# Altium PCB PCB1.PcbDoc (part 1 of 5) (continued)
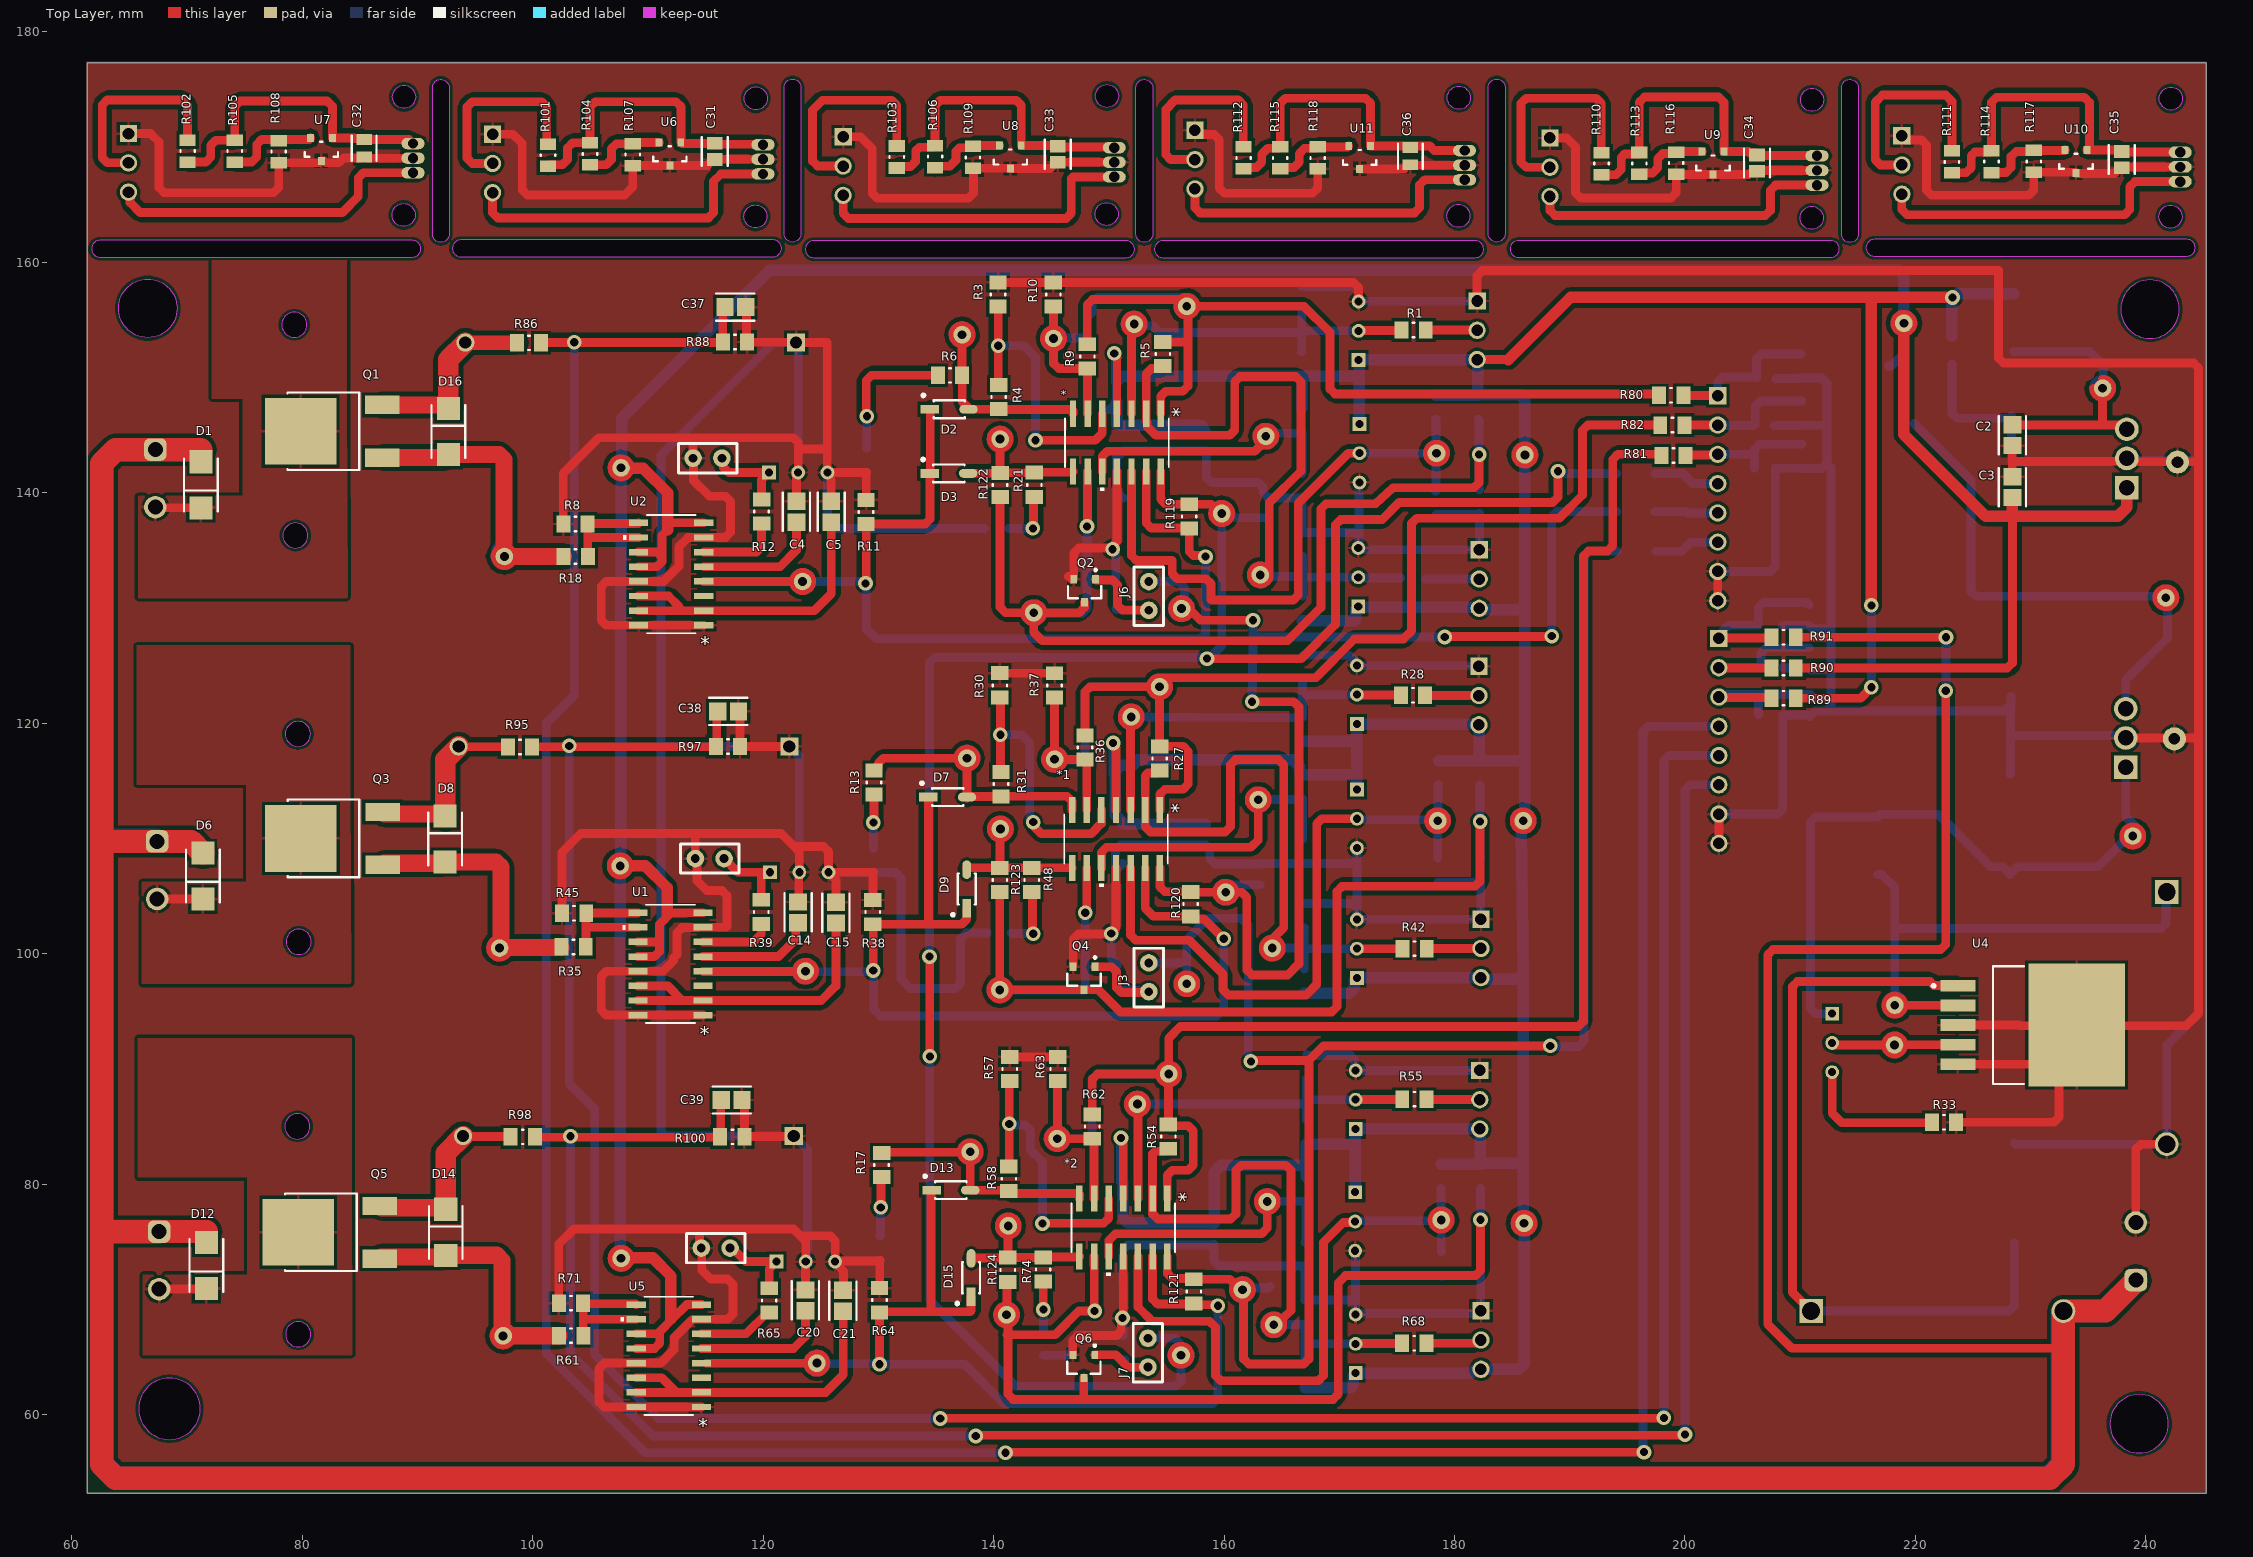
[diagram p0: Top Layer view]
## Components (designator, comment, footprint, x,y, rotation, side; value= is the part's Value field where it differs from the comment) (continued)
R10 "1k" Vishay_CRCW0805-e3_IPC_A 145.186,157.201 r90 top
R11 "100k" Vishay_CRCW0805-e3_IPC_A 128.93,138.328 r90 top
R12 "1k" Vishay_CRCW0805-e3_IPC_A 119.863,138.37 r90 top
R13 "1k" Vishay_CRCW0805-e3_IPC_A 129.616,114.859 r90 top
R14 "10k" Vishay_CRCW0805-e3_IPC_A 166.751,146.253 r270 bottom
R15 "50k" Vishay_CRCW0805-e3_IPC_A 176.428,132.537 r180 bottom
R16 "47k" Vishay_CRCW0805-e3_IPC_A 166.802,129.962 r270 bottom
R17 "1k" Vishay_CRCW0805-e3_IPC_A 130.277,81.661 r90 top
R18 "50k" Vishay_CRCW0805-e3_IPC_A 103.708,137.287 r0 top
R19 "10k" Vishay_CRCW0805-e3_IPC_A 182.093,147.396 r270 bottom
R20 "47k" Vishay_CRCW0805-e3_IPC_A 166.802,135.509 r90 bottom
R21 "1k" Vishay_CRCW0805-e3_IPC_A 143.535,140.691 r90 top
R22 "47k" Vishay_CRCW0805-e3_IPC_A 182.169,139.243 r90 bottom
R23 "1k" Vishay_CRCW0805-e3_IPC_A 166.776,140.589 r90 bottom
R24 "1k" Vishay_CRCW0805-e3_IPC_A 178.359,147.438 r90 bottom
R25 "51k" Vishay_CRCW0805-e3_IPC_A 150.597,130.962 r270 bottom
R26 "10k" Vishay_CRCW0805-e3_IPC_A 178.359,139.09 r270 bottom
R27 "100k" Vishay_CRCW0805-e3_IPC_A 154.407,116.942 r90 top
R28 "50k" Vishay_CRCW0805-e3_IPC_A 176.403,122.428 r180 top
R29 "47k" Vishay_CRCW0805-e3_IPC_A 166.802,119.498 r270 bottom
R30 "1k" Vishay_CRCW0805-e3_IPC_A 140.538,123.292 r90 top
R31 "100k" Vishay_CRCW0805-e3_IPC_A 140.64,114.706 r90 top
R33 "1k" Vishay_CRCW0805-e3_IPC_A 222.479,85.369 r180 top
R34 "47k" Vishay_CRCW0805-e3_IPC_A 166.802,124.816 r270 bottom
R35 "100" Vishay_CRCW0805-e3_IPC_A 103.556,100.584 r0 top
R36 "10k" Vishay_CRCW0805-e3_IPC_A 147.93,117.897 r90 top
R37 "1k" Vishay_CRCW0805-e3_IPC_A 145.288,123.282 r90 top
R38 "100k" Vishay_CRCW0805-e3_IPC_A 129.515,103.607 r90 top
R39 "1k" Vishay_CRCW0805-e3_IPC_A 119.837,103.632 r90 top
R41 "10k" Vishay_CRCW0805-e3_IPC_A 166.827,114.468 r270 bottom
R42 "50k" Vishay_CRCW0805-e3_IPC_A 176.539,100.432 r180 top
R43 "47k" Vishay_CRCW0805-e3_IPC_A 166.954,97.612 r270 bottom
R45 "50k" Vishay_CRCW0805-e3_IPC_A 103.597,103.505 r0 top
R46 "9.1k" Vishay_CRCW0805-e3_IPC_A 182.194,115.688 r270 bottom
R47 "47k" Vishay_CRCW0805-e3_IPC_A 166.98,103.302 r90 bottom
R48 "1k" Vishay_CRCW0805-e3_IPC_A 143.307,106.401 r90 top
R49 "10k" Vishay_CRCW0805-e3_IPC_A 182.245,107.248 r90 bottom
R50 "1k" Vishay_CRCW0805-e3_IPC_A 166.802,108.88 r90 bottom
R51 "1k" Vishay_CRCW0805-e3_IPC_A 178.613,115.688 r90 bottom
R52 "51k" Vishay_CRCW0805-e3_IPC_A 150.774,97.952 r270 bottom
R53 "10k" Vishay_CRCW0805-e3_IPC_A 178.537,107.239 r270 bottom
R54 "100k" Vishay_CRCW0805-e3_IPC_A 155.169,84.125 r90 top
R55 "50k" Vishay_CRCW0805-e3_IPC_A 176.514,87.376 r180 top
R56 "47k" Vishay_CRCW0805-e3_IPC_A 167.132,84.515 r270 bottom
R57 "1k" Vishay_CRCW0805-e3_IPC_A 141.402,89.992 r90 top
R58 "100k" Vishay_CRCW0805-e3_IPC_A 141.326,80.467 r90 top
R60 "47k" Vishay_CRCW0805-e3_IPC_A 167.183,90.205 r270 bottom
R61 "100" Vishay_CRCW0805-e3_IPC_A 103.343,66.853 r0 top
R62 "10k" Vishay_CRCW0805-e3_IPC_A 148.565,84.988 r90 top
R63 "1k" Vishay_CRCW0805-e3_IPC_A 145.567,89.992 r90 top
R64 "100k" Vishay_CRCW0805-e3_IPC_A 130.099,69.926 r90 top
R65 "1k" Vishay_CRCW0805-e3_IPC_A 120.523,69.91 r90 top
R67 "10k" Vishay_CRCW0805-e3_IPC_A 167.132,79.578 r270 bottom
R68 "50k" Vishay_CRCW0805-e3_IPC_A 176.505,66.192 r180 top
R69 "47k" Vishay_CRCW0805-e3_IPC_A 167.03,63.398 r270 bottom
R71 "50k" Vishay_CRCW0805-e3_IPC_A 103.318,69.672 r0 top
R72 "9.1k" Vishay_CRCW0805-e3_IPC_A 182.245,80.696 r270 bottom
R73 "47k" Vishay_CRCW0805-e3_IPC_A 167.03,68.885 r90 bottom
R74 "1k" Vishay_CRCW0805-e3_IPC_A 144.297,72.593 r90 top
R75 "10k" Vishay_CRCW0805-e3_IPC_A 182.27,73.127 r90 bottom
R76 "1k" Vishay_CRCW0805-e3_IPC_A 167.03,73.914 r90 bottom
R77 "1k" Vishay_CRCW0805-e3_IPC_A 178.816,80.67 r90 bottom
R78 "51k" Vishay_CRCW0805-e3_IPC_A 151.257,65.811 r270 bottom
R79 "10k" Vishay_CRCW0805-e3_IPC_A 178.867,73.076 r270 bottom
R80 "51k" Vishay_CRCW0805-e3_IPC_A 198.806,148.463 r180 top
R81 "51k" Vishay_CRCW0805-e3_IPC_A 199.009,143.231 r180 top
R82 "51k" Vishay_CRCW0805-e3_IPC_A 198.907,145.872 r180 top
R83 "10k" Vishay_CRCW0805-e3_IPC_A 210.058,151.003 r270 bottom
R84 "10k" Vishay_CRCW0805-e3_IPC_A 210.109,146.914 r270 bottom
R85 "10k" Vishay_CRCW0805-e3_IPC_A 210.16,143.154 r270 bottom
R86 "10k" Vishay_CRCW0805-e3_IPC_A 99.679,153.01 r180 top
R87 "0.1ohm" RES_TUM5_OHM 122.86,153.035 r180 bottom
R88 "10k" Vishay_CRCW0805-e3_IPC_A 117.551,153.086 r0 top
R89 "33k" Vishay_CRCW0805-e3_IPC_A 208.559,122.174 r0 top
R90 "33k" Vishay_CRCW0805-e3_IPC_A 208.559,124.79 r0 top
R91 "51k" Vishay_CRCW0805-e3_IPC_A 208.559,127.457 r0 top
R92 "1k" Vishay_CRCW0805-e3_IPC_A 207.442,120.726 r0 bottom
R93 "1k" Vishay_CRCW0805-e3_IPC_A 207.467,124.841 r0 bottom
R94 "1k" Vishay_CRCW0805-e3_IPC_A 207.416,128.499 r0 bottom
R95 "10k" Vishay_CRCW0805-e3_IPC_A 98.892,117.932 r180 top
R96 "0.1ohm" RES_TUM5_OHM 122.276,117.983 r180 bottom
R97 "10k" Vishay_CRCW0805-e3_IPC_A 116.942,117.983 r0 top
R98 "10k" Vishay_CRCW0805-e3_IPC_A 99.136,84.099 r180 top
R99 "0.1ohm" RES_TUM5_OHM 122.657,84.176 r180 bottom
R100 "10k" Vishay_CRCW0805-e3_IPC_A 117.323,84.099 r0 top
R101 "100" Vishay_CRCW0805-e3_IPC_B 101.321,169.291 r90 top
R102 "100" Vishay_CRCW0805-e3_IPC_B 70.053,169.647 r90 top
R103 "100" Vishay_CRCW0805-e3_IPC_B 131.597,169.139 r90 top
R104 "100" Vishay_CRCW0805-e3_IPC_B 104.978,169.418 r270 top
R105 "100" Vishay_CRCW0805-e3_IPC_B 74.143,169.647 r270 top
R106 "100" Vishay_CRCW0805-e3_IPC_B 134.925,169.164 r270 top
R107 "100" Vishay_CRCW0805-e3_IPC_B 108.687,169.342 r270 top
R108 "100" Vishay_CRCW0805-e3_IPC_B 77.953,169.596 r270 top
R109 "100" Vishay_CRCW0805-e3_IPC_B 138.201,169.113 r270 top
R110 "100" Vishay_CRCW0805-e3_IPC_B 192.761,168.554 r90 top
R111 "100" Vishay_CRCW0805-e3_IPC_B 223.164,168.718 r90 top
R112 "100" Vishay_CRCW0805-e3_IPC_B 161.696,169.062 r90 top
R113 "100" Vishay_CRCW0805-e3_IPC_B 196.037,168.58 r270 top
R114 "100" Vishay_CRCW0805-e3_IPC_B 226.593,168.732 r270 top
R115 "100" Vishay_CRCW0805-e3_IPC_B 164.871,169.062 r270 top
R116 "100" Vishay_CRCW0805-e3_IPC_B 199.238,168.605 r270 top
R117 "100" Vishay_CRCW0805-e3_IPC_B 230.276,168.758 r270 top
R118 "100" Vishay_CRCW0805-e3_IPC_B 168.123,169.062 r270 top
R119 "100k" Vishay_CRCW0805-e3_IPC_A 156.972,137.947 r270 top
R120 "100k" Vishay_CRCW0805-e3_IPC_A 157.099,104.292 r270 top
R121 "100k" Vishay_CRCW0805-e3_IPC_A 157.378,70.698 r270 top
R122 "100k" Vishay_CRCW0805-e3_IPC_A 140.564,140.665 r270 top
R123 "100k" Vishay_CRCW0805-e3_IPC_A 140.538,106.401 r270 top
R124 "100k" Vishay_CRCW0805-e3_IPC_A 141.224,72.568 r270 top
RG1 "Reg_Fairchild_LM7805CT_eec" Fairchild_LM7805CT_0 238.894,142.977 r0 bottom
RP1 "10k" Bourns_3296W_MFG 171.684,154.051 r180 bottom
RP2 "10k" Bourns_3296W_MFG 171.653,132.664 r180 bottom
RP3 "10k" Bourns_3296W_MFG 123.038,141.752 r90 bottom
RP4 "10k" Bourns_3296W_MFG 171.75,143.434 r0 bottom
RP5 "50k" Bourns_3296W_MFG 212.771,92.253 r0 bottom
RP6 "10k" Bourns_3296W_MFG 171.531,122.479 r180 bottom
RP7 "10k" Bourns_3296W_MFG 171.531,100.432 r180 bottom
RP8 "10k" Bourns_3296W_MFG 123.139,107.061 r90 bottom
RP9 "10k" Bourns_3296W_MFG 171.521,111.709 r0 bottom
RP10 "10k" Bourns_3296W_MFG 171.43,87.325 r180 bottom
RP11 "10k" Bourns_3296W_MFG 171.43,66.142 r180 bottom
RP12 "10k" Bourns_3296W_MFG 123.698,73.274 r90 bottom
RP13 "10k" Bourns_3296W_MFG 171.374,76.759 r0 bottom
TP1 "Test_Point_PCB" Test_Point#1 236.245,149.073 r0 bottom
TP2 "Test_Point_PCB" Test_Point#2 107.671,142.164 r180 bottom
TP3 "Test_Point_PCB" Test_Point#3 143.485,129.591 r180 bottom
TP4 "Test_Point_PCB" Test_Point#4 238.862,110.211 r180 bottom
TP5 "Test_Point_PCB" Test_Point#5 241.732,130.886 r180 bottom
TP6 "Test_Point_PCB" Test_Point#6 178.435,143.434 r180 bottom
TP7 "Test_Point_PCB" Test_Point#5 186.106,143.281 r180 bottom
TP8 "Test_Point_PCB" Test_Point#7 145.202,153.39 r90 bottom
TP9 "Test_Point_PCB" Test_Point#8 156.769,156.185 r180 bottom
TP10 "Test_Point_PCB" Test_Point#9 152.197,154.635 r90 bottom
TP11 "Test_Point_PCB" Test_Point#10 97.542,134.468 r0 bottom
TP12 "Test_Point_PCB" Test_Point#11 123.426,132.296 r90 bottom
TP13 "Test_Point_PCB" Test_Point#12 163.144,132.867 r90 bottom
TP14 "Test_Point_PCB" Test_Point#4 163.627,144.907 r90 bottom
TP15 "Test_Point_PCB" Test_Point#13 140.564,144.653 r90 bottom
TP16 "Test_Point_PCB" Test_Point#12 156.312,129.946 r180 bottom
TP17 "Test_Point_PCB" Test_Point#14 159.791,138.201 r90 bottom
TP18 "Test_Point_PCB" Test_Point#15 218.211,95.529 r270 bottom
TP19 "Test_Point_PCB" Test_Point#16 218.186,92.075 r270 bottom
TP20 "Test_Point_PCB" Test_Point#17 185.965,111.531 r90 bottom
TP21 "Test_Point_PCB" Test_Point#18 154.407,123.165 r90 bottom
TP22 "Test_Point_PCB" Test_Point#19 145.288,116.865 r90 bottom
TP23 "Test_Point_PCB" Test_Point#20 151.943,120.548 r90 bottom
TP24 "Test_Point_PCB" Test_Point#21 123.673,98.476 r90 bottom
TP25 "Test_Point_PCB" Test_Point#16 97.13,100.482 r90 bottom
TP26 "Test_Point_PCB" Test_Point#22 107.594,107.62 r90 bottom
TP27 "Test_Point_PCB" Test_Point#23 164.186,100.482 r90 bottom
TP28 "Test_Point_PCB" Test_Point#24 162.966,113.36 r0 bottom
TP29 "Test_Point_PCB" Test_Point#25 140.589,110.82 r90 bottom
TP30 "Test_Point_PCB" Test_Point#26 140.538,96.85 r90 bottom
TP31 "Test_Point_PCB" Test_Point#21 156.769,97.384 r90 bottom
TP32 "Test_Point_PCB" Test_Point#14 160.147,105.334 r90 bottom
TP33 "Test_Point_PCB" Test_Point#6 178.537,111.531 r90 bottom
TP34 "Test_Point_PCB" Test_Point#4 218.999,154.711 r90 bottom
TP35 "Test_Point_PCB" Test_Point#5 186.035,76.601 r90 bottom
TP36 "Test_Point_PCB" Test_Point#12 155.194,89.56 r90 bottom
TP37 "Test_Point_PCB" Test_Point#27 145.517,83.947 r90 bottom
TP38 "Test_Point_PCB" Test_Point#28 152.476,86.944 r0 bottom
TP39 "Test_Point_PCB" Test_Point#29 124.663,64.465 r90 bottom
TP40 "Test_Point_PCB" Test_Point#30 97.434,66.827 r90 bottom
TP41 "Test_Point_PCB" Test_Point#31 107.671,73.558 r90 bottom
TP42 "Test_Point_PCB" Test_Point#23 164.313,67.793 r90 bottom
TP43 "Test_Point_PCB" Test_Point#28 163.754,78.486 r90 bottom
TP44 "Test_Point_PCB" Test_Point#25 141.275,76.378 r90 bottom
TP45 "Test_Point_PCB" Test_Point#32 141.122,68.656 r90 bottom
TP46 "Test_Point_PCB" Test_Point#23 156.261,65.151 r90 bottom
TP47 "Test_Point_PCB" Test_Point#33 161.595,70.841 r90 bottom
TP48 "Test_Point_PCB" Test_Point#5 178.841,76.886 r90 bottom
TP49 "Test_Point_PCB" Test_Point#13 137.262,153.721 r90 bottom
TP50 "Test_Point_PCB" Test_Point#34 137.693,116.967 r90 bottom
TP51 "Test_Point_PCB" Test_Point#13 137.973,82.804 r90 bottom
U1 "TL494ID" D16-M 111.963,99.111 r180 top
U2 "TL494ID" D16-M 112.014,132.944 r180 top
U3 "LM7812CT" Fairchild_LM7805CT_0 238.792,118.72 r0 bottom
U4 "LM2576" ON_Semiconductor_936A-02_MFG 230.175,93.802 r270 top
U5 "TL494ID" D16-M 111.817,65.1 r180 top
U6 "IC_Nexperia_TL431AQDBZR,215_eec" Nexperia_TL431AQDBZR,215_0 111.902,169.409 r180 top
U7 "IC_Nexperia_TL431AQDBZR,215_eec" Nexperia_TL431AQDBZR,215_0 81.661,169.799 r180 top
U8 "IC_Nexperia_TL431AQDBZR,215_eec" Nexperia_TL431AQDBZR,215_0 141.453,169.139 r180 top
U9 "IC_Nexperia_TL431AQDBZR,215_eec" Nexperia_TL431AQDBZR,215_0 202.428,168.621 r180 top
U10 "IC_Nexperia_TL431AQDBZR,215_eec" Nexperia_TL431AQDBZR,215_0 233.934,168.758 r180 top
U11 "IC_Nexperia_TL431AQDBZR,215_eec" Nexperia_TL431AQDBZR,215_0 171.77,169.104 r180 top
Z1 "MM3Z5V1ST1G" SOD2512X110N 223.164,152.4 r270 bottom

## Footprints (in the part's own frame and the unit in brackets; to place one, negate y for a bottom-side part, rotate by r counter-clockwise, add the part's x,y. Pads: shape width x height; smd on the part's side, far side on the other; paste and mask are expansions set on the pad)
61900311121 [mm] "2.54mm Male Locking Header, 3p"
  rect 1.5x1.5 hole 1: 1(2.54,0.3)
  round 1.5 hole 1: 2(0,0.3) 3(-2.54,0.3)
  silkscreen extent -3.98,-3.52 3.98,2.98, body extent -3.81,-2.9 3.81,2.9, height 11.53
61900811121 [mm] "2.54mm Male Locking Header, 8p"
  rect 1.5x1.5 hole 1: 1(8.89,0.3)
  round 1.5 hole 1: 2(6.35,0.3) 3(3.81,0.3) 4(1.27,0.3) 5(-1.27,0.3) 6(-3.81,0.3) 7(-6.35,0.3) 8(-8.89,0.3)
  silkscreen extent -10.33,-3.52 10.33,2.97, body extent -10.16,-2.9 10.16,2.9, height 11.53
691101710002 [mm] "5,00mm - modular - blue - Horizontal entry with pressure clamp - 12,6mm height - 02p"
  rrect50% 1.95x1.95 hole 1.3: 1(-2.5,-0.5)
  round 1.95 hole 1.3: 2(2.5,-0.5)
  silkscreen extent -5.6,-4.5 5.6,4.5, body extent -5.6,-4.5 5.6,4.5, height 12.65
BC847B215 [mm]
  rect 0.6x0.7 smd: 1(-0.95,-1) 2(0.95,-1) 3(0,1)
  silkscreen extent -1.45,-1.9 1.45,0.65, body extent -1.45,-1.2 1.45,1.2, height 0.95
Bourns_3296W_MFG [mm]
  rect 1.2x1.2 hole 0.7 paste-1000 mask+0: 1(0.005,-2.54)
  round 1.2 hole 0.7 paste-1000 mask+0: 2(0.005,0) 3(0.005,2.54)
  silkscreen extent -2.48,-4.89 2.48,4.89, body extent -2.41,-4.76 2.42,4.77, height 12.05
D14-M [mm]
  rect 2.27x0.558 smd paste+0 mask+0: 1(-2.514,3.81) 2(-2.514,2.54) 3(-2.514,1.27) 4(-2.514,0) 5(-2.514,-1.27) 6(-2.514,-2.54) 7(-2.514,-3.81) 8(2.514,-3.81) 9(2.514,-2.54) 10(2.514,-1.27) 11(2.514,0) 12(2.514,1.27) 13(2.514,2.54) 14(2.514,3.81)
  silkscreen extent -2.12,-4.5 4.16,4.5, body extent -3.1,-4.37 3.1,4.37, height 1.76
D16-M [mil]
  rect 65.5x22 smd paste+0 mask+0: 1(-111.25,175) 2(-111.25,125) 3(-111.25,75) 4(-111.25,25) 5(-111.25,-25) 6(-111.25,-75) 7(-111.25,-125) 8(-111.25,-175) 9(111.25,-175) 10(111.25,-125) 11(111.25,-75) 12(111.25,-25) 13(111.25,25) 14(111.25,75) 15(111.25,125) 16(111.25,175)
  silkscreen extent -84,-202 164,202, body extent -122,-197 122,197, height 69
DO-201AD_STM [mil]
  rect 81x81 hole 61 mask+0: 1(0,0)
  round 81 hole 61 mask+0: 2(862,0)
  silkscreen extent -151,-110 623,109, body extent -26,-105 887,105, height 209
EEEFK1V331P [mm]
  rect 2x4.1 smd: 1(0,-4.35) 2(0,4.35)
  silkscreen extent -5.15,-7 5.15,5.15, body extent -5.15,-5.85 5.15,5.85, height 10.3
Fairchild_LM7805CT_0 [mm]
  rect 2.05x2.05 hole 1.35 paste-1000 mask+0: 1(-0.54,2.535)
  round 2.05 hole 1.35 paste-1000 mask+0: 2(-0.54,0) 3(-0.54,-2.54)
  silkscreen extent -2.18,-5.08 2.18,5.7, body extent -2.1,-5.09 2.11,5.07, height 21.88
Jumper_2.54 [mil]
  round 60 hole 30: 1(0,0) 2(98.43,0)
  silkscreen extent -50,-50 150,50
KEMET_C0805C-DN_IPC_A [mm]
  rect 1.505x1.556 smd paste+0 mask+0: 1(-0.901,0) 2(0.901,0)
  silkscreen extent -1.65,-1.18 1.65,1.18, body extent -1,-0.63 1,0.63, height 0.88
KEMET_C0805C-DN_IPC_C [mm]
  rect 1.105x1.356 smd paste+0 mask+0: 1(-0.701,0) 2(0.701,0)
  silkscreen extent -1.25,-1.13 1.25,1.13, body extent -1.35,-0.82 1.35,0.82, height 0.25
KEMET_C0805C-DN_MFG [mm]
  rect 0.95x1.35 smd paste+0 mask+0: 1(-0.75,0) 2(0.75,0)
  silkscreen extent -1.1,-1.07 1.1,1.07, body extent -1.4,-0.85 1.4,0.85, height 0.25
Nexperia_TL431AQDBZR,215_0 [mm]
  rect 0.6x0.7 smd paste-1000 mask+0: 1(-0.95,-1) 2(0.95,-1) 3(0,1)
  silkscreen extent -1.45,-0.65 1.45,0.65, body extent -1.6,-1.45 1.6,1.45, height 0.25
ON_Semi_403D_MFG [mm]
  rect 2x2 smd paste+0 mask+0: 1(-2,0) 2(2,0)
  silkscreen extent -2.28,-1.46 2.28,1.46, body extent -3.1,-1.56 3.1,1.56, height 0.25
On_Semiconductor_369C_MFG [mm]
  rect 1.6x3 smd paste+0 mask+0: 1(-2.285,-4.3) 3(2.285,-4.3)
  rect 5.8x6.2 smd paste+0 mask+0: 4(0,2.79)
  silkscreen extent -3.36,-2.28 3.36,3.94, body extent -3.46,-5.9 3.46,5.99, height 0.25
ON_Semiconductor_936A-02_MFG [mm]
  rect 1.016x3.05 smd paste+0 mask+0: 1(-3.404,-6.485) 2(-1.702,-6.485) 3(0,-6.485) 4(1.702,-6.485) 5(3.404,-6.485)
  rect 10.66x8.38 smd paste+0 mask+0: 6(0,3.82)
  silkscreen extent -5.12,-8.72 5.12,-0.75, body extent -5.43,-8.11 5.43,8.11, height 0.25
RES_TUM5_OHM [mil]
  rect 62x62 hole 42 mask+0: 1(0,0)
  round 62 hole 42 mask+0: 2(1130,0)
  silkscreen extent 125,-200 1005,200, body extent -16,-195 1146,195, height 390
SOD2512X110N [mm]
  rect 1x0.5 smd: 1(-1.2,0) 2(1.2,0)
  silkscreen extent -1.7,-0.62 0.85,0.62, body extent -1.25,-0.63 1.25,0.63, height 1.1
Test_Point#1 [mil]
  round 60 hole 30: 1(0,0)
  Top Layer lines w10: 0,0 0,-15
  Top Layer lines w30: 0,30.93 ccw(c0,0) 27.04,-15 ccw(c0,0) 30.91,-1 ccw(c0,0) 30.93,0 ccw(c0,0) 0,30.93
  Bottom Layer lines w30: -30.9,0 cw(c0,0) -25.53,17.41 cw(c0,0) -23.43,20.15 cw(c0,0) -21.85,21.85 cw(c0,0) 30.9,0 ; -12.22,-10.19 ccw(c-38.41,4.45) -11.57,-8.97 ; 0,-30.9 ccw(c0,0) 30.9,-0.22
Test_Point#2 [mil]
  round 60 hole 30: 1(0,0)
  Top Layer lines w10: 0,-15 0,0
  Top Layer lines w30: 30.93,0 cw(c0,0) 30.91,-1 cw(c0,0) -21.87,21.87 cw(c0,0) 29.34,9.78 cw(c0,0) 30.93,0
  Bottom Layer lines w30: 30.9,-0.22 cw(c0,0) 1.24,-30.88 cw(c0,0) 0,-30.9 cw(c0,0) -1.5,-30.87 cw(c0,0) 1.5,30.87 cw(c0,0) 30.79,2.66 cw(c0,0) 30.9,0
Test_Point#3 [mil]
  round 60 hole 30: 1(0,0)
  Top Layer lines w10: 0,-15 0,0
  Top Layer lines w30: 30.93,0 ccw(c0,0) -30.93,0 ccw(c0,0) -19.91,-23.67 ccw(c0,0) 0,-30.93 ccw(c0,0) 11.84,-28.57 ccw(c0,0) 30.93,0
  Bottom Layer lines w30: 30.9,-0.22 cw(c0,0) 30.76,-3 cw(c0,0) 30.9,0
Test_Point#4 [mil]
  round 60 hole 30: 1(0,0)
  Top Layer lines w10: 0,-15 0,0
  Top Layer lines w30: 30.93,0 ccw(c0,0) 28.04,13.04 ccw(c0,0) 21.87,21.87 ccw(c0,0) 30.93,0
  Bottom Layer lines w30: 30.9,-0.22 cw(c0,0) -27.7,-13.7 cw(c0,0) -30.9,0 cw(c0,0) 13.7,27.7 cw(c0,0) 30.9,0
Test_Point#5 [mil]
  round 60 hole 30: 1(0,0)
  Top Layer circle w30: c0,0 r30.93
  Top Layer lines w10: 0,-15 0,0
  Bottom Layer lines w30: 30.9,-0.22 cw(c0,0) 5.74,-30.36 cw(c0,0) -21.85,-21.85 cw(c0,0) -30.45,5.26 cw(c0,0) 30.9,0
Test_Point#6 [mil]
  round 60 hole 30: 1(0,0)
  Top Layer circle w30: c0,0 r30.93
  Top Layer lines w10: 0,-15 0,0
  Bottom Layer lines w30: 30.9,-0.22 cw(c0,0) -1.5,-30.87 cw(c0,0) -27.81,-13.47 cw(c0,0) -30.9,0 cw(c0,0) -30.9,0.5 cw(c0,0) -1.5,30.87 cw(c0,0) 26.34,16.16 cw(c0,0) 30.9,0
Test_Point#7 [mil]
  round 60 hole 30: 1(0,0)
  Top Layer lines w30: 25.9,-16.9 cw(c0,0) 25.5,-17.5 cw(c0,0) 25,-18.2 cw(c0,0) 24.4,-19 cw(c0,0) 21.87,-21.87 cw(c0,0) 20,-23.59 cw(c0,0) 0.31,-30.92 cw(c0,0) 0,-30.93 cw(c0,0) -15,-27.04 cw(c0,0) -21.87,-21.87 ; 0,0 0.1,0 2.07,0 3.36,0 4.74,0 ; -21.88,-21.85 cw(c0,0) -23.53,-20.07 cw(c0,0) -30.93,0 cw(c0,0) -21.87,21.87 cw(c0,0) -15,27.04 cw(c0,0) -1.37,30.9 ; -21.87,-21.87 cw(c0,0) -21.88,-21.85 ; 6.21,-2.85 cw(c-12.98,3.71) 4.01,-7.37 ccw(c-12.98,3.71) 6.21,-2.85 ; 6.21,-2.85 ccw(c-12.98,3.71) 6.77,-0.92 ; 6.21,-2.85 ccw(c-12.98,3.71) 6.77,-0.92 ; 6.77,-0.92 ccw(c-12.98,3.71) 6.96,0 ; 6.77,-0.92 ccw(c-12.98,3.71) 6.96,0 ; 4.74,0 6.96,0 ; 4.74,0 6.96,0 ; 6.96,0 ccw(c-12.98,3.71) 7.02,0.31 ; 6.96,0 ccw(c-12.98,3.71) 7.02,0.31 ; 6.96,0 6.96,0 ; 6.96,0 6.96,0 ; 6.96,0 6.96,0 ; 6.96,0 8,0 6.96,0 ; 6.96,0 6.96,0 ; 6.96,0 6.96,0 ; 6.96,0 6.96,0 ; 7.02,0.31 ccw(c-12.98,3.71) 7.04,6.95 ; 7.02,0.31 ccw(c-12.98,3.71) 7.04,6.95 ; 7.04,6.95 ccw(c-12.98,3.71) 1.36,18.05 cw(c-12.98,3.71) 7.04,6.95 ; 15,27.05 ccw(c0,0) 10.36,29.14 ; 15,27.05 ccw(c0,0) 10.36,29.14 ; 14.99,27.05 ccw(c0,0) 10.36,29.14 ; 14.99,27.05 ccw(c0,0) 10.36,29.14 ; 14.99,27.05 cw(c0,0) 15,27.05 ; 14.99,27.05 cw(c0,0) 15,27.05 ; 15,27.04 cw(c0,0) 21.87,21.87 ccw(c0,0) 15,27.04 ; 10.36,29.14 ccw(c0,0) 1.31,30.9 ; 10.36,29.14 ccw(c0,0) 1.31,30.9 ; -1.37,30.9 cw(c0,0) 0,30.93 ; -1.37,30.9 cw(c0,0) 0,30.93 ; 1.31,30.9 ccw(c0,0) 0,30.93 ; 1.31,30.9 ccw(c0,0) 0,30.93 ; 8.99,-8.25 cw(c-18.26,-20.79) 8.99,-8.25
  Bottom Layer lines w30: -21.85,-21.85 cw(c0,0) -22,-21.7 cw(c0,0) -22.21,-21.49 cw(c0,0) -30.9,0 cw(c0,0) -22,21.7 cw(c0,0) -21.85,21.85 cw(c0,0) -4,30.64 cw(c0,0) -1.37,30.87 cw(c0,0) 0,30.9 cw(c0,0) 10.91,28.91 cw(c0,0) 15,27.02 ; 30.9,-0.22 cw(c0,0) 21.85,-21.85 cw(c0,0) 21.83,-21.88 cw(c0,0) 15,-27.02 cw(c0,0) 1.77,-30.85 cw(c0,0) -21.83,-21.88 ; -21.83,-21.88 cw(c0,0) -21.85,-21.85 ; 30.9,0 ccw(c0,0) 15,27.02 ; 30.9,0 ccw(c0,0) 15,27.02 ; 30.9,0 ccw(c0,0) 15,27.02 ; 30.9,0 ccw(c0,0) 15,27.02
Test_Point#8 [mil]
  round 60 hole 30: 1(0,0)
  Top Layer lines w10: 0,-15 0,-11.5
  Top Layer lines w30: 30.93,0 cw(c0,0) 4,-30.67 cw(c0,0) 1,-30.91 cw(c0,0) 0.5,-30.92 cw(c0,0) 0,-30.93 cw(c0,0) -21.87,-21.87 cw(c0,0) -30.93,0 cw(c0,0) -30.73,3.5 cw(c0,0) -20.67,23 cw(c0,0) -5.74,30.39 cw(c0,0) 30.93,0
  Bottom Layer lines w30: 30.9,-0.22 cw(c0,0) -30.8,2.5 cw(c0,0) -5.74,30.36 cw(c0,0) 30.9,0
Test_Point#9 [mil]
  round 60 hole 30: 1(0,0)
  Top Layer lines w10: 0,-15 0,-4 0,0
  Top Layer lines w30: 0,-30.93 cw(c0,0) -30.67,-4 cw(c0,0) -30.93,0 cw(c0,0) 0,-30.93
  Bottom Layer lines w30: 30.9,-0.22 cw(c0,0) 30.74,-3.12 cw(c0,0) 0,-30.9 cw(c0,0) -5.74,-30.36 cw(c0,0) 30.9,0
Test_Point#10 [mil]
  round 60 hole 30: 1(0,0)
  Top Layer lines w10: 0,0 0,-15
  Top Layer lines w30: -28.04,13.04 cw(c0,0) -28,13.13 cw(c0,0) -27.92,13.29 cw(c0,0) -27.88,13.38 cw(c0,0) -25.96,16.8 cw(c0,0) -22.7,21 ; -27.87,13.29 ccw(c13.87,-6.12) -27.88,13.27 ccw(c13.87,-6.12) -27.98,13.04 ccw(c13.87,-6.12) -28,13 ccw(c13.87,-6.12) -31.53,1.44 ccw(c13.87,-6.12) -31.75,0 ccw(c13.87,-6.12) -31.83,-0.6 ccw(c13.87,-6.12) -31.93,-1.5 ccw(c13.87,-6.12) -32.06,-3.06 ccw(c13.87,-6.12) -28.07,-25.07 ccw(c13.87,-6.12) -28,-25.24 ccw(c13.87,-6.12) -24.9,-30.93 ; 0,-30.93 ccw(c0,0) 21.87,-21.87 ccw(c0,0) 28,-13.13 ccw(c0,0) 30.88,-1.63 ccw(c0,0) 30.93,0 ccw(c0,0) 28,13.13 ccw(c0,0) 22.7,21 ccw(c0,0) -19.87,23.7 ccw(c0,0) -20.2,23.42 ccw(c0,0) -21.87,21.87 ccw(c0,0) -22.08,21.65 ; -24.9,-30.93 ccw(c13.87,-6.12) -18.68,-38.66 ; -24.9,-30.93 ccw(c13.87,-6.12) -18.68,-38.66 ; -24.9,-30.93 ccw(c13.87,-6.12) -18.68,-38.66 ; -24.9,-30.93 ccw(c13.87,-6.12) -18.68,-38.66 ; -24.32,-30.93 ccw(c3.19,-16.79) -18.68,-38.66 ; -24.32,-30.93 ccw(c3.19,-16.79) -18.68,-38.66 ; -24.32,-30.93 ccw(c3.19,-16.79) -18.68,-38.66 ; -24.32,-30.93 ccw(c3.19,-16.79) -18.68,-38.66 ; -24.32,-30.93 cw(c3.19,-16.79) -26.97,-23.64 cw(c41.72,-8.06) -28,-18.07 cw(c41.72,-8.06) -28.41,-1.5 cw(c41.72,-8.06) -28.25,0 cw(c41.72,-8.06) -28.07,1.44 cw(c41.72,-8.06) -28,1.95 cw(c41.72,-8.06) -25.48,13.04 cw(c41.72,-8.06) -25.02,14.46 cw(c41.72,-8.06) -23.54,18.43 cw(c41.72,-8.06) -23.02,19.7 cw(c41.72,-8.06) -22.38,21.14 ; -22.7,21 cw(c0,0) -22.2,21.53 ; -22.7,21 cw(c0,0) -22.2,21.53 ; -22.7,21 cw(c0,0) -22.2,21.53 ; -22.7,21 cw(c0,0) -22.2,21.53 ; -22.38,21.14 cw(c41.72,-8.06) -22.2,21.53 ; -22.38,21.14 cw(c41.72,-8.06) -22.2,21.53 ; -22.38,21.14 cw(c41.72,-8.06) -22.2,21.53 ; -22.38,21.14 cw(c41.72,-8.06) -22.2,21.53 ; -22.2,21.53 cw(c0,0) -22.19,21.54 ; -22.2,21.53 cw(c0,0) -22.19,21.54 ; -22.2,21.53 cw(c0,0) -22.19,21.54 ; -22.2,21.53 cw(c0,0) -22.19,21.54 ; -22.2,21.53 cw(c41.72,-8.06) -22.15,21.64 ; -22.2,21.53 cw(c41.72,-8.06) -22.15,21.64 ; -22.2,21.53 cw(c41.72,-8.06) -22.15,21.64 ; -22.2,21.53 cw(c41.72,-8.06) -22.15,21.64 ; -22.19,21.55 cw(c0,0) -22.09,21.64 ; -22.19,21.54 cw(c0,0) -22.19,21.55 ; -22.09,21.64 cw(c0,0) -22.08,21.65
  Bottom Layer lines w30: 30.9,0 ccw(c0,0) 15,27.02 ccw(c0,0) 0,30.9 ccw(c0,0) -22.67,21 ccw(c0,0) -30.9,0 ccw(c0,0) -30.13,-6.87 ccw(c0,0) -25.88,-16.88 ccw(c0,0) -21.85,-21.85 ccw(c0,0) -15.03,-27 ccw(c0,0) 15,-27.02 ccw(c0,0) 30.9,-0.22
Test_Point#11 [mil]
  round 60 hole 30: 1(0,0)
  Top Layer lines w10: 0,-15 0,-9 0,-0.57 0,0
  Top Layer lines w30: 12,28.5 ccw(c0,0) 2.37,30.84 ccw(c0,0) 0.5,30.92 ccw(c0,0) 0,30.93 ccw(c0,0) -3.7,30.7 ccw(c0,0) -4,30.67 ccw(c0,0) -5,30.52 ccw(c0,0) -6,30.34 ccw(c0,0) -11,28.9 ccw(c0,0) -12.02,28.5 ccw(c0,0) -30.93,0 ccw(c0,0) 0,-30.93 ccw(c0,0) 4,-30.67 ccw(c0,0) 4.64,-30.58 ccw(c0,0) 7,-30.12 ccw(c0,0) 8,-29.87 ccw(c0,0) 9,-29.59 ccw(c0,0) 15,-27.04 ccw(c0,0) 16.9,-25.9 ccw(c0,0) 21.58,-22.15 ccw(c0,0) 21.87,-21.87 ccw(c0,0) 30.91,-1 ccw(c0,0) 30.93,0 ccw(c0,0) 24.59,18.75 ccw(c0,0) 15,27.04 ccw(c0,0) 12.02,28.5 ; 12,28.5 cw(c0,0) 12.02,28.5
  Bottom Layer lines w30: 30.9,-0.22 cw(c0,0) 22,-21.7 cw(c0,0) 21.85,-21.85 cw(c0,0) 15,-27.02 cw(c0,0) 14,-27.55 cw(c0,0) 9,-29.56 cw(c0,0) 8,-29.85 cw(c0,0) 7,-30.1 cw(c0,0) 0,-30.9 cw(c0,0) -21.85,-21.85 cw(c0,0) -30.89,-1 cw(c0,0) -30.9,0 cw(c0,0) -4.85,30.52 cw(c0,0) 0,30.9 cw(c0,0) 15,27.02 cw(c0,0) 22,21.7 cw(c0,0) 30.9,0
Test_Point#12 [mil]
  round 60 hole 30: 1(0,0)
  Top Layer lines w10: 0,-15 0,0
  Top Layer lines w30: 0,-30.93 cw(c0,0) 30.93,0 cw(c0,0) 5.58,-30.42 cw(c0,0) 0.69,-30.92 cw(c0,0) 0,-30.93
  Bottom Layer lines w30: 30.9,-0.22 cw(c0,0) 0,-30.9 cw(c0,0) 30.9,0
Test_Point#13 [mil]
  round 60 hole 30: 1(0,0)
  Top Layer lines w10: 0,-15 0,0
  Top Layer lines w30: 0,-30.93 ccw(c0,0) -30.93,0 ccw(c0,0) -15.55,-26.73 ccw(c0,0) 0,-30.93
  Bottom Layer lines w30: 30.9,-0.22 cw(c0,0) 30.9,0
Test_Point#14 [mil]
  round 60 hole 30: 1(0,0)
  Top Layer lines w10: 0,-15 0,0
  Top Layer lines w30: 0,-30.93 ccw(c0,0) 14.97,-27.06 ccw(c0,0) 30.93,0 ccw(c0,0) 19.26,24.2 ccw(c0,0) 0,-30.93
  Bottom Layer lines w30: 30.9,-0.22 cw(c0,0) 0,-30.9 cw(c0,0) -30.9,0 cw(c0,0) 30.9,0
Test_Point#15 [mil]
  round 60 hole 30: 1(0,0)
  Top Layer lines w10: 0,0 0,-15
  Top Layer lines w30: 21.87,21.87 cw(c0,0) 30.92,-0.5 ; 21.87,21.87 cw(c0,0) 30.92,-0.5 ; 21.87,21.87 ccw(c0,0) 0.5,30.92 ccw(c0,0) -4.06,30.66 ccw(c0,0) -28.04,13.04 ccw(c0,0) -30.93,0 ccw(c0,0) -30.92,-0.5 ccw(c0,0) -30,-7.51 ccw(c0,0) -27.04,-15 ccw(c0,0) 0,-30.93 ; 30.92,-0.5 cw(c0,0) 0,-30.93 ; 30.92,-0.5 cw(c0,0) 0,-30.93
  Bottom Layer lines w30: -28.02,13.03 cw(c0,0) -24.08,19.37 cw(c0,0) -21.85,21.85 cw(c0,0) -4.04,30.64 cw(c0,0) 0,30.9 cw(c0,0) 21.85,21.85 cw(c0,0) 30.9,0 ; -28.02,13.02 ccw(c0,0) -30.9,0 ccw(c0,0) -30.9,-0.5 ccw(c0,0) -27.02,-15 ccw(c0,0) 0,-30.9 ; 21.85,-21.85 ccw(c0,0) 30.9,-0.22 cw(c0,0) 21.85,-21.85 ; 21.85,-21.85 cw(c0,0) 0,-30.9 ; 21.85,-21.85 cw(c0,0) 0,-30.9
Test_Point#16 [mil]
  round 60 hole 30: 1(0,0)
  Top Layer lines w10: 0,0 0,-15
  Top Layer lines w30: 0,30.93 ccw(c0,0) -0.5,30.92 ccw(c0,0) -0.36,-30.92 ccw(c0,0) 0,-30.93 ccw(c0,0) 30.91,1 ccw(c0,0) 1.5,30.89 ccw(c0,0) 0,30.93
  Bottom Layer lines w30: 30.9,0 ccw(c0,0) 3.7,30.68 ccw(c0,0) 30.9,-0.22
Test_Point#17 [mil]
  round 60 hole 30: 1(0,0)
  Top Layer circle w30: c0,0 r30.93
  Top Layer lines w10: 0,-15 0,0
  Bottom Layer lines w30: 30.9,-0.22 cw(c0,0) 30.64,-4 cw(c0,0) 29.29,-9.85 cw(c0,0) -30.9,0 cw(c0,0) -30.2,6.56 cw(c0,0) 30.9,0
Test_Point#18 [mil]
  round 60 hole 30: 1(0,0)
  Top Layer lines w10: 0,-15 0,0
  Top Layer lines w30: 0,-30.93 cw(c0,0) -9.18,-29.53 cw(c0,0) -30.93,0 cw(c0,0) 0,30.93 cw(c0,0) 30.93,0 cw(c0,0) 0,-30.93
  Bottom Layer lines w30: 30.9,-0.22 cw(c0,0) 0,30.9 cw(c0,0) 29.87,7.91 cw(c0,0) 30.9,0
Test_Point#19 [mil]
  round 60 hole 30: 1(0,0)
  Top Layer lines w10: 0,-15 0,0
  Top Layer lines w30: 0,-30.93 cw(c0,0) -0.37,-30.92 cw(c0,0) 30.34,6 cw(c0,0) 30.93,0 cw(c0,0) 22.81,-20.89 cw(c0,0) 8.17,-29.83 cw(c0,0) 1,-30.91 cw(c0,0) 0,-30.93
  Bottom Layer lines w30: 30.9,-0.22 cw(c0,0) 23.08,-20.55 cw(c0,0) -2,-30.84 cw(c0,0) 30.9,0
Test_Point#20 [mil]
  round 60 hole 30: 1(0,0)
  Top Layer lines w30: 0,-30.93 cw(c0,0) -21.32,-22.4 cw(c0,0) -30.86,2 cw(c0,0) 0,-30.93
  Bottom Layer lines w30: 30.9,-0.22 cw(c0,0) 15,-27.02 cw(c0,0) 2,-30.84 cw(c0,0) 0,-30.9 cw(c0,0) -13,-28.03 cw(c0,0) 15,27.02 cw(c0,0) 30.9,0
Test_Point#21 [mil]
  round 60 hole 30: 1(0,0)
  Top Layer lines w10: 0,-15 0,0
  Top Layer lines w30: 0,-30.93 cw(c0,0) 1,30.91 cw(c0,0) 0,-30.93
  Bottom Layer lines w30: 30.9,-0.22 cw(c0,0) 0,-30.9 cw(c0,0) -2,-30.84 cw(c0,0) -2,30.84 cw(c0,0) 21.85,21.85 cw(c0,0) 30.9,0
Test_Point#22 [mil]
  round 60 hole 30: 1(0,0)
  Top Layer lines w30: 0,-30.93 cw(c0,0) -21.87,-21.87 cw(c0,0) 0,-30.93
  Bottom Layer lines w30: 30.9,-0.22 cw(c0,0) 30.87,-1.5 cw(c0,0) 28.03,-13 cw(c0,0) 21.85,-21.85 cw(c0,0) -30.9,0 cw(c0,0) 0,30.9 cw(c0,0) 30.9,0
Test_Point#23 [mil]
  round 60 hole 30: 1(0,0)
  Top Layer lines w10: 0,-15 0,0
  Top Layer lines w30: 0,-30.93 cw(c0,0) 30.93,0 cw(c0,0) 13.29,-27.93 cw(c0,0) 0,-30.93
  Bottom Layer lines w30: 30.9,-0.22 cw(c0,0) 26.26,-16.28 cw(c0,0) 0,-30.9 cw(c0,0) 30.9,0
Test_Point#24 [mil]
  round 60 hole 30: 1(0,0)
  Top Layer lines w10: 0,0 0,-15
  Bottom Layer lines w30: 30.9,0 ccw(c0,0) -30.88,-1.13 ; 30.9,-0.22 cw(c0,0) -30.69,-3.63 cw(c0,0) -30.88,-1.16 ; -30.88,-1.16 cw(c0,0) -30.88,-1.13
Test_Point#25 [mil]
  round 60 hole 30: 1(0,0)
  Top Layer lines w10: 0,-15 0,0
  Top Layer lines w30: 0,-30.93 ccw(c0,0) -30.91,1 ccw(c0,0) 0,-30.93
  Bottom Layer lines w30: 30.9,-0.22 cw(c0,0) 30.9,0
Test_Point#26 [mil]
  round 60 hole 30: 1(0,0)
  Top Layer lines w10: 0,-15 0,0
  Top Layer lines w30: 0,-30.93 ccw(c0,0) 0.63,-30.92 ccw(c0,0) 30.93,0 ccw(c0,0) 0.39,30.92 ccw(c0,0) 0,30.93 ccw(c0,0) -21.66,22.07 ccw(c0,0) -30.52,5 ccw(c0,0) 0,-30.93
  Bottom Layer lines w30: 30.9,-0.22 cw(c0,0) 26.46,-15.97 cw(c0,0) 0,-30.9 cw(c0,0) 0,30.9 cw(c0,0) 30.9,0
Test_Point#27 [mil]
  round 60 hole 30: 1(0,0)
  Top Layer lines w10: 0,-15 0,0
  Top Layer lines w30: -0.19,-30.93 ccw(c0,0) 0,-30.93 ccw(c0,0) 30.91,-1 ccw(c0,0) -0.19,-30.93
  Bottom Layer lines w30: 30.9,-0.22 cw(c0,0) -5.74,-30.36 cw(c0,0) 30.9,0
Test_Point#28 [mil]
  round 60 hole 30: 1(0,0)
  Top Layer lines w10: 0,0 0,-15
  Top Layer lines w30: -30.93,0 cw(c0,0) 0,30.93 cw(c0,0) -30.93,0
  Bottom Layer lines w30: 30.9,0 ccw(c0,0) -30.9,0 ccw(c0,0) 30.9,-0.22
Test_Point#29 [mil]
  round 60 hole 30: 1(0,0)
  Top Layer lines w10: 0,-15 0,0
  Top Layer lines w30: 0,-30.93 cw(c0,0) -2,30.86 cw(c0,0) -0.29,30.92 cw(c0,0) 0,-30.93
  Bottom Layer lines w30: 30.9,-0.22 cw(c0,0) 0,-30.9 cw(c0,0) -2,-30.84 cw(c0,0) -4,-30.64 cw(c0,0) -4,30.64 cw(c0,0) 30.9,0
Test_Point#30 [mil]
  round 60 hole 30: 1(0,0)
  Top Layer lines w10: 0,-15 0,0
  Top Layer lines w30: 0,-30.93 ccw(c0,0) 0.5,-30.92 ccw(c0,0) 7.76,-29.94 ccw(c0,0) 30.67,4 ccw(c0,0) 3.13,30.77 ccw(c0,0) 0,30.93 ccw(c0,0) -1.5,-30.89 ccw(c0,0) 0,-30.93
  Bottom Layer lines w30: 30.9,-0.22 cw(c0,0) 30.9,0
Test_Point#31 [mil]
  round 60 hole 30: 1(0,0)
  Top Layer lines w10: 0,-15 0,0
  Top Layer lines w30: 0,-30.93 cw(c0,0) -25.55,-17.43 cw(c0,0) 0,-30.93
  Bottom Layer lines w30: 30.9,-0.22 cw(c0,0) 25.53,17.41 cw(c0,0) 28.48,12 cw(c0,0) 30.76,3 cw(c0,0) 30.9,0
Test_Point#32 [mil]
  round 60 hole 30: 1(0,0)
  Top Layer lines w10: 0,-15 0,0
  Top Layer lines w30: 0,-30.93 cw(c0,0) -0.57,-30.92 cw(c0,0) -1.08,-30.91 cw(c0,0) -21.87,-21.87 cw(c0,0) -30.53,-4.91 cw(c0,0) -30.93,0 cw(c0,0) -30.93,0.07 cw(c0,0) -30.91,1 cw(c0,0) -30.71,3.64 cw(c0,0) 0,30.93 cw(c0,0) 0.26,30.92 cw(c0,0) 30.91,1 cw(c0,0) 30.86,-2 cw(c0,0) 21.87,-21.87 cw(c0,0) 1.63,-30.88 cw(c0,0) 0,-30.93
  Bottom Layer lines w30: 30.9,-0.22 cw(c0,0) 4,-30.64 cw(c0,0) 1.9,-30.84 cw(c0,0) 0,-30.9 cw(c0,0) -1.2,-30.88 cw(c0,0) 30.9,0
Test_Point#33 [mil]
  round 60 hole 30: 1(0,0)
  Top Layer lines w10: 0,-15 0,-8 0,0
  Top Layer lines w30: 0,-30.93 cw(c0,0) -29.87,-8 cw(c0,0) -30.67,-4 cw(c0,0) -30.93,0 cw(c0,0) 1.37,30.9 cw(c0,0) 17.43,25.55 cw(c0,0) 0,-30.93
  Bottom Layer lines w30: 30.9,-0.22 cw(c0,0) 5.74,-30.36 cw(c0,0) 30.9,0
Test_Point#34 [mil]
  round 60 hole 30: 1(0,0)
  Top Layer lines w10: 0,-15 0,0
  Top Layer lines w30: 0,-30.93 cw(c0,0) -30.93,0 cw(c0,0) -13.83,27.66 cw(c0,0) 0,30.93 cw(c0,0) 0,-30.93
  Bottom Layer lines w30: 30.9,-0.22 cw(c0,0) 30.9,0
TO-92A [mm] "TO, Flat Index; 3 In-Line, Axial Leads; Body Dia. 4.5mm; Leads 0.51 x 0.48 mm (max)"
  oval 2x1 hole 0.9: 1(0,-1.27) 2(0,0) 3(0,1.27)
  silkscreen extent -2.48,-2.95 1.5,2.48, body extent -2.48,-2.5 1.5,2.5, height 6.86
Vishay_CRCW0805-e3_IPC_A [mil]
  rect 47.5x59.38 smd paste+0 mask+0: 1(-41.37,0) 2(41.37,0)
  silkscreen extent -3,-25 3,25, body extent -85,-49 85,49, height 10
Vishay_CRCW0805-e3_IPC_B [mm]
  rect 1.007x1.408 smd paste+0 mask+0: 1(-0.951,0) 2(0.951,0)
  silkscreen extent -0.07,-0.62 0.07,0.62, body extent -1.7,-0.95 1.7,0.95, height 0.25
Vishay_S8-V-3910_01-001_IPC_A [mm]
  rect 1.607x0.762 smd paste+0 mask+0: 1(-1.676,0)
  rrect100% 1.607x0.762 smd paste+0 mask+0: 2(1.676,0)
  silkscreen extent -2.36,-0.77 1.35,1.33, body extent -2.98,-1.28 2.98,1.28, height 0.25
WE-PD2-L [mm] "SMD Inductor, 2-Leads, Body 7.8 x 7.0 mm"
  rect 3x7.5 smd: 1(-2.5,0) 2(2.5,0)
  silkscreen extent -0.87,-3.5 0.87,3.5, body extent -3.81,-3.5 3.81,3.5, height 4.89
Wurth_Electronics_0_MFG [mm]
  rect 1.1x1.2 smd paste+0 mask+0: 1(-1.05,0) 2(1.05,0)
  silkscreen extent -2.27,-0.67 0.13,0.67, body extent -1,-0.63 1,0.63, height 0.8